# KiCad board weisse_cpu.kicad_pcb (continued)
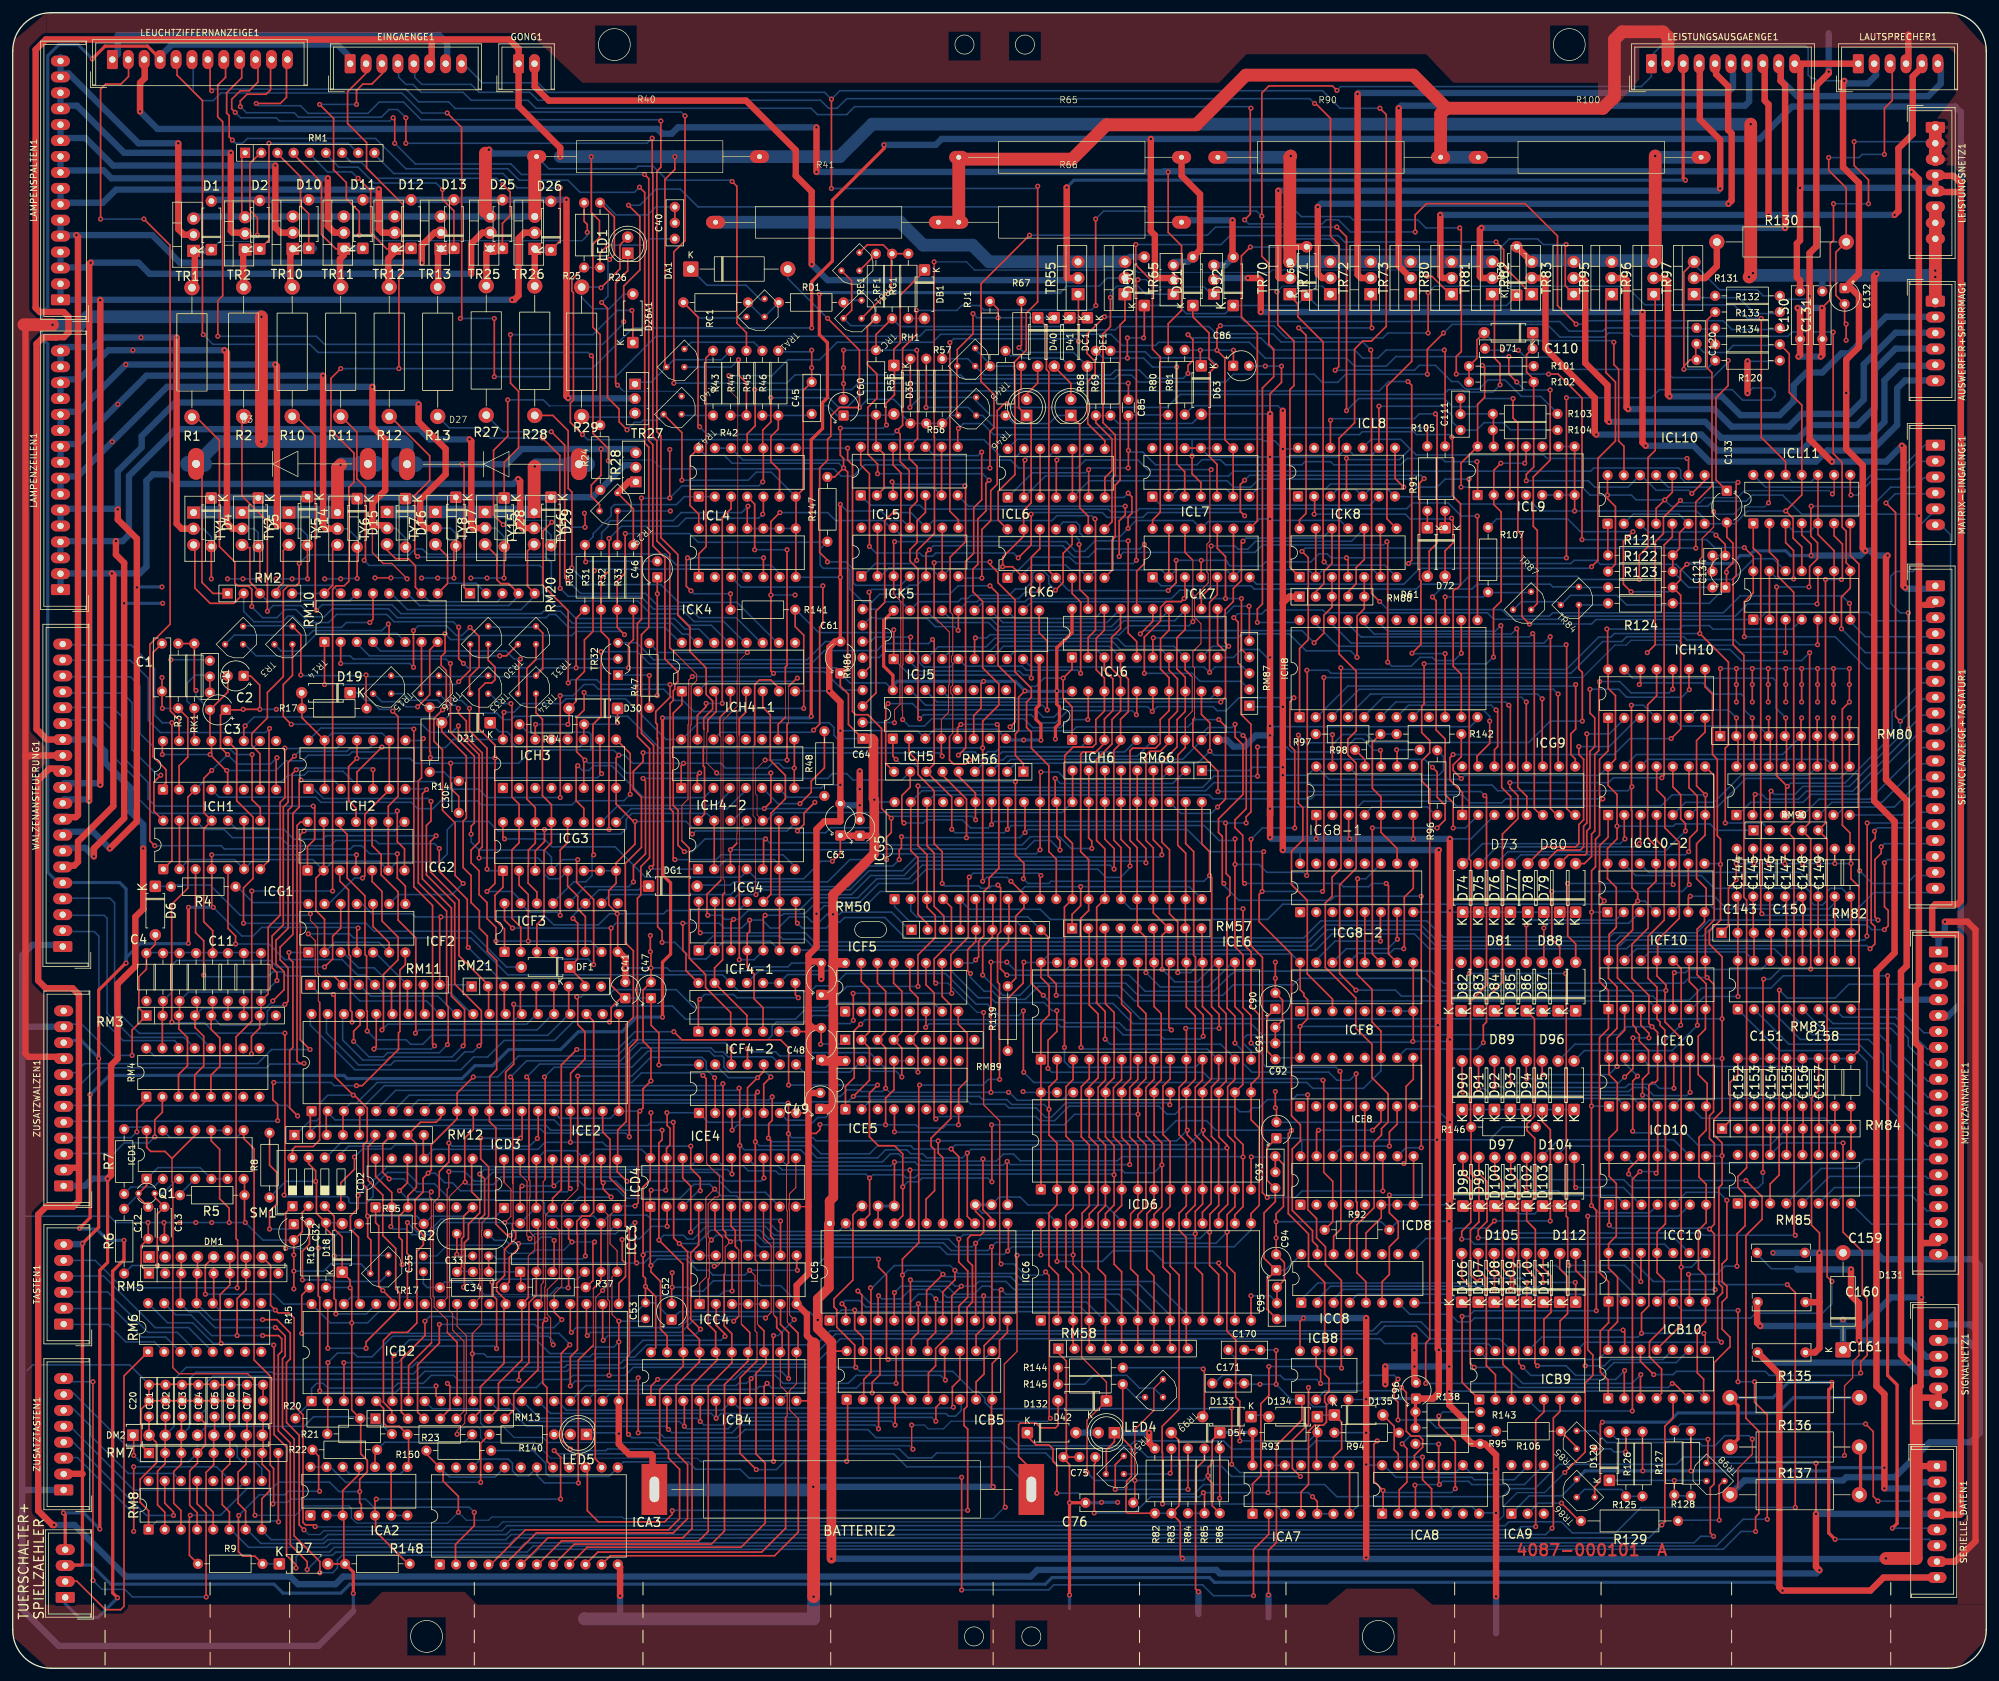
[diagram p0: board, top side]
## Routing (per net, layer and track width the routed paths; a pad name or vN(x,y) marks a point on that pad's centre or on a via; arc(x,y) is an arc through that point) (continued)
  Bottom w0.25: R147.1 126.83,175.79 126.83,173.25 127.33,172.74 131.26,172.74 131.5,172.5 131.5,169.5 133.5,167.5 135,167.5 136.18,168.68 147.18,168.68 148.5,170 v1(153.5,170) ; 127.88,176.84 107.66,176.84 106.3,178.2 v1(96.22,178.2) ; v1(96.09,162.33) 95.59,162.84 88.47,162.84 87.84,162.2 71.58,162.2 70.95,161.56 68.79,161.56 v1(67.9,162.45) ; v1(156.67,147.85) 157.31,147.21 166.45,147.21 167.09,147.85 184.61,147.85 185.75,148.99 v1(189.44,148.99) ; v1(70.75,123.25) 69,121.5 60.6,121.5 ICF2.9 ; v1(36.5,148) 37.9,149.4 66.4,149.4 v1(67.52,150.52) ; v1(189.25,135.25) 188.26,134.26 183.48,134.26 ICG5.23
~{KURZSCHLUSS_MAGNET}: length 107
  Top w0.25: v1(182.83,204.36) 182.83,189.17 184.09,187.91 ICL7.3 ; D50.1 177.75,209.06 v1(177.63,208.94) ; v1(175.09,205.76) v1(175.09,208.94)
  Bottom w0.25: R68.2 171.28,205.76 v1(175.09,205.76) 177.63,205.76 179.02,204.36 v1(182.83,204.36) ; D70.1 234.64,214.02 204.86,214.02 D60.1 201.64,214.02 D52.1 190.45,212.75 184.36,212.75 183.09,214.02 D50.1 ; v1(175.09,208.94) v1(177.63,208.94)
Net-(BATTERIE2-+): length 145.1
  Top w0.25: 160,31.25 158,33.25 158,38.25 158.25,38.5 160.75,38.5 161.5,37.75 163.8,37.75 164.2,38.15 164.2,41.98 ; 62.06,16.44 57,21.5 57,23.92 ; v1(57.1,26.56) 56.91,26.37 ICA2.5 ; v1(86.06,26.56) 86.06,33.17 v1(85.04,34.18)
  Bottom w0.25: v1(85.04,34.18) 85.55,33.68 138.38,33.68 140.42,31.64 156.45,31.64 BATTERIE2.1 ; v1(86.06,26.56) v1(57.1,26.56)
Net-(C32-Pad1): length 20.2
  Top w0.25: R8.2 40.34,79.01 41.47,77.89 41.47,72.9 40.34,71.78 v1(40.34,68.98)
  Bottom w0.25: v1(40.34,68.98) 43.39,68.98 C32.1
Net-(C33-Pad1): length 5.9
  Top w0.25: Q2.1 v1(69.75,65)
  Bottom w0.25: v1(69.75,65) 70,64.75 C33.1
Net-(C35-Pad1): length 28.9
  Top w0.25: v1(87.25,59.75) 87.32,59.82 ICC3.4
  Bottom w0.15: 72.75,60 74.07,58.68 84.43,58.68
  Bottom w0.25: 84.43,58.73 84.48,58.73 85.5,59.75 v1(87.25,59.75) ; 72.75,60 72.11,60.64 67.81,60.64 67.1,59.93 ; C35.1 64.5,60.4 65.1,59.8 R19.1
Net-(C35-Pad2): length 39.6
  Top w0.25: v1(87.84,66.95) 87.32,67.47 ICC3.11 ; v1(91.39,66.95) 91.14,66.7 91.14,60.88 90.11,59.85
  Bottom w0.2: v1(91.39,66.95) v1(87.84,66.95) 86.57,65.68 82.25,65.68 81.74,65.17 77.93,65.17 76.66,66.44 68.28,66.44 66.59,64.75 C35.2
Net-(C45-Pad1): length 21.3
  Top w0.25: R46.1 120.25,194.61 119.08,193.44 119.08,189.5 120.45,188.13 ICL4.6
  Bottom w0.25: R45.1 125.25,196.75
Net-(C46-Pad2): length 38.6
  Top w0.25: v1(90,173.76) 89.87,173.88 R30.2
  Bottom w0.25: C46.2 90.09,173.85 v1(90,173.76) ; ICL4.2 ICL4.1 105.5,184 104.25,182.75 94.5,182.75 94,182.25 94,181 91.17,178.17 91.17,177.72 R30.2
Net-(C85-Pad1): length 71.4
  Top w0.25: v1(175.21,201.82) 175.25,201.79 C85.1 ; v1(116.54,200.81) 116.62,200.72 116.62,195.12 115.37,193.87 ICL4.11
  Bottom w0.25: v1(116.54,200.81) 131.78,200.81 132.77,201.8 175.19,201.8 v1(175.21,201.82)
Net-(C85-Pad2): length 102.3
  Top w0.25: C85.2 v1(175.25,191.25) 175.25,188.54 v1(175.21,188.5) ; v1(230,189.5) 230.1,189.4 ICL9.1 ; ICL6.6 v1(169,188.25)
  Bottom w0.25: R80.1 175.37,196.84 ; v1(175.21,188.5) 169.25,188.5 v1(169,188.25) 168.5,187.75 160.17,187.75 ICL6.1 ; v1(230,189.5) 225,189.5 224.5,190 219,190 218,189 207.5,189 207,189.5 203,189.5 202.5,189 190.5,189 189.7,189.8 186.8,189.8 186,189 179.5,189 177.5,191 175.5,191 v1(175.25,191.25)
Net-(D1-K): length 30.1
  Top w0.25: v1(38.44,225.06) 38.44,227.8 37.25,228.99 37.25,236.33 38.94,238.02
  Top w1: 28.6,217.27 28.6,222.47
  Bottom w0.15: 32.48,224.08 37.45,224.08 v1(38.44,225.06)
  Bottom w0.25: D1.1 32.48,224.08
  Bottom w1: TR1.1 31,222.6
Net-(D2-K): length 39.5
  Top w0.25: v1(40.25,239.5) 40.25,224.33 D2.1
  Top w1: 36.2,217 36.2,222.42
  Bottom w0.25: 54.18,238.02 52.7,239.5 v1(40.25,239.5)
  Bottom w1: 36.5,222.92 38.76,222.92
Net-(D3-A): length 34.6
  Top w2: v1(51.5,189) 51.01,188.51 TY6.1
  Bottom w2: v1(51.5,189) 51.65,189.15 D3.2 ; 28.44,181.54 50.97,181.54 TY6.1
Net-(D7-K): length 34.2
  Top w0.25: R9.2 38.05,17.6 36.15,17.6 35.46,18.3 35.46,23.95 v1(35.5,24) ; v1(48.2,27.8) 48.05,27.95 48.05,33.33 R22.1
  Bottom w0.25: v1(48.2,27.8) 43.3,27.8 42.75,27.25 38.75,27.25 v1(35.5,24) ; D7.1 R9.2
Net-(D10-K): length 26.2
  Top w0.25: D10.1 46.5,228.43 45.2,229.73 45.2,234.25 41.48,237.97
  Top w1: 43.6,217.22 43.6,222.02 44,222.42 TR10.1
  Bottom w1: 44.08,223 47.34,223
Net-(D11-K): length 27.5
  Top w0.25: TR11.1 50.75,222.92 48.5,225.17 48.5,233.35 47.3,234.55 47.3,234.6 44.02,237.88
  Top w1: 51.4,217.04 51.4,221.32 52,221.92 TR11.1
  Bottom w1: D11.1 52.58,223
Net-(D12-K): length 32.4
  Top w0.25: TR12.1 58.75,222.92 56.23,225.44 56.23,232.02 v1(54.25,234)
  Top w1: 60.5,222.92 59,221.42 59,217.06
  Bottom w0.25: 46.56,237.88 49.44,235 53.25,235 v1(54.25,234)
  Bottom w1: TR12.1 62.42,222.92
Net-(D13-K): length 38.8
  Top w0.25: D13.1 69.3,228.89 67.5,230.68 v1(67.5,232.25)
  Top w1: 66.8,216.96 66.8,222.46 TR13.1
  Bottom w0.25: 49.1,237.88 51.23,235.75 54.25,235.75 56.75,233.25 66.5,233.25 v1(67.5,232.25)
  Bottom w1: TR13.1 69.22,222.92
Net-(D19-A): length 57.9
  Top w0.25: ICH2.6 ICH2.9 ; ICH2.2 ICH2.13 45.42,149.29 R17.1 45.42,153.16 ; v1(54.94,124.1) 55.3,124.46 55.3,134.1 59.15,137.95
  Bottom w0.25: v1(54.94,124.1) 53.68,124.1 49.61,120.04 ; ICH2.13 50.12,146.84 58.03,146.84 ICH2.9
Net-(D21-K): length 27.1
  Top w0.25: ICH3.11 89.7,148.2 ; D30.1 v1(95,148.5)
  Bottom w0.25: 89.7,145.39 88.98,144.68 79.14,144.68 78.31,145.51 78.31,146.45 77.68,147.09 76.41,147.09 D21.1 ; v1(95,148.5) 94.75,148.25 R34.1
Net-(D25-K): length 46.3
  Top w0.25: v1(77,233) 78.14,231.86 78.14,228.14 76.92,226.92 D25.1
  Top w1: 74.4,217.14 74.4,222.32 TR25.1
  Bottom w0.25: 51.64,238.02 53.16,236.5 54.75,236.5 57.25,234 76,234 v1(77,233)
  Bottom w1: TR25.1 76.84,222.92
Net-(D26-K): length 50.1
  Top w0.25: v1(86,232.5) 86,224.21 D26.1
  Top w1: TR26.1 R28.2
  Bottom w0.25: v1(86,232.5) 79.25,232.5 77,234.75 59.85,234.75 56.72,237.88
  Bottom w1: D26.1 82.17,222.75
Net-(D26A1-A): length 24.2
  Top w0.25: LED1.2 95.38,223.54 95.38,219.78 v1(92.41,216.81)
  Bottom w0.25: v1(92.41,216.81) 92.3,216.92 R29.2 89.36,215.29 91.14,213.51 93.68,213.51 95.99,215.82 D26A1.2
Net-(D27-A): length 37.2
  Top w2: v1(82,188.75) 81.9,188.65 TY16.1
  Bottom w2: 88.85,189 82.25,189 v1(82,188.75) ; TY16.1 TY7.1
Net-(D30-A): length 57.9
  Top w0.25: v1(91.38,172.38) 91.14,172.14 91.14,162.84 89.8,161.5 89.8,156.55 88.5,155.25 88.5,151.87 D30.2 87.38,148.41 v1(87.2,148.23) ; v1(82.12,148.23) 82.08,148.19 ICH3.14
  Bottom w0.25: v1(82.12,148.23) v1(87.2,148.23) ; ICK4.4 114.15,172.61 91.61,172.61 v1(91.38,172.38)
Net-(D40-A): length 5.9
  Top w0.25: LED2.2 159.25,200.1 161,201.85 D40.2
Net-(D41-A): length 6.2
  Top w0.25: LED3.2 166.2,201.8 163.6,204.4
Net-(D42-A): length 3.5
  Bottom w1: LED4.2 D42.2
Net-(D50-A): length 70.2
  Bottom w1: TR56.3 175.47,221.64 D50.2
  Bottom w2: R41.1 139.4,227.1 143,223.5 150.74,223.5 153.36,220.89 174.71,220.89
Net-(D51-A): length 20.7
  Top w1: D51.2 186.5,222.76 186.5,231.5 183.6,234.4 R65.2
  Bottom w1: 182.33,220.87 184.61,220.87 D51.2
Net-(D52-A): length 16.9
  Top w1: v1(191.6,227.4) 191.6,221.76
  Bottom w1: TR66.3 190.44,220.35 D52.2 ; 183.9,227.4 v1(191.6,227.4)
Net-(D60-A): length 62.7
  Top w1: 200.6,223.16 200.69,223.25 D60.2
  Top w2: v1(200.75,237.5) 200.6,237.35 200.6,220.89 TR70.3
  Bottom w2: R90.1 200.55,237.3 v1(200.75,237.5) ; 200.64,220.9 232.38,220.9 TR81.3
Net-(D61-A): length 47
  Top w0.25: v1(207,196) 206.98,195.98 206.98,191.68 ; 222.5,171.8 222.5,175.45 223.73,176.68 223.73,196.75 v1(223.47,197)
  Bottom w0.25: v1(223.47,197) 220.93,197 220.19,196.25 207.25,196.25 v1(207,196)
Net-(D61-K): length 2.6
  Top w0.25: D61.1 R91.1
Net-(D70-A): length 46.7
  Top w1: 236.25,223.22 TR82.3
  Top w2: TR96.3 258,221.11 v1(258,237.5)
  Bottom w2: TR82.3 238.81,221.08 257.56,221.08 TR96.3 ; v1(258,237.5) 258.2,237.3 R100.2
Net-(D71-A): length 51.4
  Top w0.25: R102.1 R101.1 230,205.75 230,208.62 D71.2 ; 253.09,187.4 253.09,191.91 252.25,192.75 252.25,204 251.5,204.75 v1(251.5,208.25)
  Bottom w0.25: D71.2 232.38,208.5 251.25,208.5 v1(251.5,208.25) 251.38,208.38
Net-(D71-K): length 56
  Top w0.25: D71.1 C110.2 237.78,206.28 237.78,203.58 238.91,202.45 ; v1(263.75,184.5) 265.76,186.51 ICL10.8 ; v1(237.75,186.5) 237.75,187.5 238.91,188.66 R102.2
  Bottom w0.25: 255.79,187.37 258.16,185 263.25,185 v1(263.75,184.5) ; v1(237.75,186.5) 247.5,186.5 248.5,185.5 253.74,185.5 ICL10.12
Net-(D72-A): length 34.4
  Top w0.25: 204.5,183.97 204.5,181.33 v1(204.42,181.25) ; D72.2 225,175.5 226.23,176.72 226.23,180.4 v1(226.02,180.61)
  Bottom w0.25: v1(226.02,180.61) 225.91,180.5 219.5,180.5 218.75,181.25 v1(204.42,181.25)
Net-(D72-K): length 2.6
  Top w0.25: D72.1 225,181.76
Net-(D73-A): length 30.9
  Top w0.25: ICG10-1.2 253.14,130.36 v1(253.25,130.25)
  Bottom w0.25: D73.2 230.88,129.5 252.5,129.5 v1(253.25,130.25)
Net-(D74-A): length 30.9
  Top w0.25: v1(255.5,129.5) 255.68,129.68 ICG10-1.3
  Bottom w0.25: 230.5,126.37 233.13,129 255,129 v1(255.5,129.5)
Net-(D75-A): length 42.8
  Top w0.25: v1(262.75,131.5) 262.75,132.65 262,133.4 262,137.2 260.76,138.44 ICG10-1.10
  Bottom w0.25: v1(262.75,131.5) 259.5,128.25 234.88,128.25 233,126.37
Net-(D76-A): length 43
  Top w0.25: ICG10-1.9 263.3,138.3 264.6,137 264.6,131.6 263.4,130.4 263.4,128.4 v1(263.25,128.25)
  Bottom w0.25: v1(263.25,128.25) 262.75,127.75 236.88,127.75 235.5,126.37
Net-(D77-A): length 36.1
  Top w0.25: D77.2 240.63,129 245.5,129 246,129.5 246,132.5 246.75,133.25 246.75,142.75 246,143.5 v1(246,144.75)
  Bottom w0.25: v1(246,144.75) 250.78,144.75 255.12,149.09
Net-(D78-A): length 32.2
  Top w0.25: D78.2 242.63,128.5 246.25,128.5 246.75,129 246.75,132.25 247.25,132.75 v1(247.25,146.75)
  Bottom w0.25: v1(247.25,146.75) 250.8,146.75 253.14,149.09
Net-(D79-A): length 51.3
  Top w0.25: ICH10.9 263.3,153.74 v1(263.35,153.69) ; D79.2 244.38,127.75 247,127.75 247.25,128 247.25,131.5 247.75,132 247.75,144 248.5,144.75 248.5,149.25 247.75,150 v1(247.75,153.75)
  Bottom w0.25: v1(263.35,153.69) 262.16,152.5 253.5,152.5 252.25,153.75 v1(247.75,153.75)
Net-(D80-A): length 46.5
  Top w0.25: ICH10.10 260.76,153.76 v1(260.75,153.75) ; v1(249.25,154.96) 249.13,154.83 249.13,144.13 248.5,143.5 248.5,131.5 248,131 248,127.5 246.87,126.37 D80.2
  Bottom w0.25: v1(249.25,154.96) 252.43,154.96 254.21,153.18 260.18,153.18 v1(260.75,153.75)
Net-(D85-A): length 22
  Top w0.25: v1(237.75,116.75) D85.2
  Bottom w0.25: v1(237.75,116.75) 238.5,117.5 251.79,117.5 ICG10-2.2
Net-(D86-A): length 21.7
  Top w0.25: v1(240.5,116.25) 240.5,110.62
  Bottom w0.25: ICG10-2.3 253.83,117 241.25,117 v1(240.5,116.25)
Net-(D87-A): length 37.3
  Top w0.25: v1(241.75,122) 241.75,114.5 243,113.25 243,110.62 ; v1(263.35,123.08) 263.2,123.24 ICG10-2.9
  Bottom w0.25: v1(241.75,122) 262.27,122 v1(263.35,123.08)
Net-(D88-A): length 33.1
  Top w0.25: 245.5,110.62 245.5,113.75 244.25,115 v1(244.25,123.25) ; ICG10-2.10 260.66,123.24 v1(260.81,123.08)
  Bottom w0.25: v1(260.81,123.08) 260.65,123.25 v1(244.25,123.25)
Net-(D89-A): length 31.4
  Top w0.25: D89.2 227.66,90.59 v1(227.75,90.5)
  Bottom w0.25: v1(227.75,90.5) 228.38,90.5 229.38,89.5 252.04,89.5 ICE10.2
Net-(D90-A): length 31.1
  Top w0.25: D90.2 v1(230.25,91)
  Bottom w0.25: ICE10.3 254.08,90 232.25,90 231.25,91 v1(230.25,91)
Net-(D91-A): length 41.5
  Top w0.25: v1(263.48,90.44) 263.45,90.47 ICE10.9 ; v1(232.75,91.33) 232.75,91.34 D91.2
  Bottom w0.25: v1(232.75,91.33) 234.01,91.33 234.78,90.57 253.83,90.57 254.46,91.21 256.49,91.21 257.76,89.94 262.97,89.94 v1(263.48,90.44)
Net-(D92-A): length 34.7
  Top w0.25: ICE10.10 260.91,91.11 v1(260.94,91.08) ; v1(235.29,91.97) 235.25,92 D92.2
  Bottom w0.25: v1(235.29,91.97) 236.56,91.97 237.32,91.21 253.32,91.21 253.83,91.72 258.02,91.72 258.65,91.08 v1(260.94,91.08)
Net-(D93-A): length 33
  Top w0.25: ICF10.3 255.73,101.02 257,99.75 v1(257,99) ; v1(237.82,92.6) 237.75,92.68 D93.2 ; v1(253.19,92.86) 254.5,94.17 v1(254.5,99)
  Bottom w0.25: v1(253.19,92.86) 252.3,91.97 239.73,91.97 239.1,92.6 v1(237.82,92.6) ; v1(257,99) v1(254.5,99)
Net-(D94-A): length 23.9
  Top w0.25: v1(252,94.5) 252,99 253.19,100.19 ICF10.2 ; D94.2 240.25,93.35 v1(240.37,93.24)
  Bottom w0.25: v1(240.37,93.24) 250.74,93.24 v1(252,94.5)
Net-(D95-A): length 32.3
  Top w0.25: ICF10.10 262.08,109.88 262.08,101.08 v1(262,101)
  Bottom w0.25: v1(262,101) 259,98 245.38,98 D95.2
Net-(D96-A): length 32.4
  Top w0.25: ICF10.9 263.35,107.84 264.62,106.57 v1(264.62,100.99)
  Bottom w0.25: v1(264.62,100.99) 260.64,97 246.88,97 D96.2
Net-(D97-A): length 48.1
  Top w0.25: v1(227.6,67.4) 227.6,68.6 229.02,70.02 229.02,76.57 227.8,77.8 D97.2
  Bottom w0.25: v1(227.6,67.4) 228.8,67.4 229.6,66.6 259.45,66.6 ICC10.10
Net-(D98-A): length 47.9
  Top w0.25: v1(230.2,67.6) 230.2,68.8 231.57,70.18 231.57,76.43 230.3,77.7 D98.2
  Bottom w0.25: ICC10.9 260.99,67.6 v1(230.2,67.6)
Net-(D99-A): length 40.6
  Top w0.25: v1(235.29,59.33) 235.29,61.51 234.02,62.77 234.02,76.38 232.8,77.6 D99.2
  Bottom w0.25: ICC10.2 252.08,58.73 244.27,58.73 243.67,59.33 v1(235.29,59.33)
Net-(D100-A): length 38.9
  Top w0.25: v1(236.52,63.3) 236.52,76.5 235.3,77.73 D100.2
  Bottom w0.25: v1(236.52,63.3) 236.57,63.25 242.5,63.25 243.5,62.25 251.27,62.25 255.75,57.77
Net-(D101-A): length 20.9
  Top w0.25: v1(237.75,75) 237.8,75.05 D101.2
  Bottom w0.25: v1(237.75,75) 242.75,75 243.5,74.25 251.85,74.25 252.7,73.4
Net-(D102-A): length 25.7
  Bottom w0.25: 240,80.2 242.8,83 260.88,83 ICD10.9
Net-(D103-A): length 19.7
  Bottom w0.25: ICD10.10 259.34,82 244,82 242.5,80.5
Net-(D104-A): length 15.5
  Top w0.25: v1(245.5,75.5) 245.3,75.7 D104.2
  Bottom w0.25: v1(245.5,75.5) 253.02,75.5 255.24,73.28
Net-(D105-A): length 50.2
  Top w0.25: ICB10.3 255.68,46.07 v1(255.73,46.12) ; v1(229.57,47.26) 228.94,47.9 228.94,59.96 227.6,61.3 D105.2
  Bottom w0.25: v1(229.57,47.26) 234.65,47.26 237.19,44.73 254.33,44.73 v1(255.73,46.12)
Net-(D106-A): length 24
  Top w0.25: D106.2 230.2,62.55 231.47,61.28 231.47,50.3 231.49,50.29 231.49,49.35 231.47,49.34 231.47,47.52 232.9,46.09 ICB9.2
Net-(D107-A): length 24.1
  Top w0.25: D107.2 232.7,62.55 234.06,61.19 234.06,47.73 235.44,46.35 ICB9.3
Net-(D108-A): length 39.8
  Top w0.25: ICB10.2 253.14,46.7 v1(253.19,46.76) ; 235.74,64.72 235.74,59.91 236.57,59.08 236.57,47.89 v1(237.19,47.26)
  Bottom w0.25: v1(237.19,47.26) 238.46,46 244.18,46 244.81,45.36 251.8,45.36 v1(253.19,46.76)
Net-(D109-A): length 44.4
  Top w0.25: v1(239.5,47.5) 239.11,47.89 239.11,61.39 237.8,62.7 D109.2
  Bottom w0.25: v1(239.5,47.5) 244,47.5 245.5,46 249.5,46 251.5,48 261.28,48 ICB10.9
Net-(D110-A): length 16.3
  Top w0.25: ICB9.10 240.52,54.79 241.63,55.89 241.63,61.62 240.4,62.85 D110.2
Net-(D111-A): length 16.3
  Top w0.25: ICB9.9 243.06,54.53 244.23,55.7 244.23,61.52 243,62.75 D111.2
Net-(D112-A): length 33
  Top w0.25: D112.2 245.5,62.5 246.95,61.05 246.95,47.55 v1(247,47.5)
  Bottom w0.25: ICB10.10 259.24,48.5 251,48.5 250,47.5 v1(247,47.5)
Net-(D120-K): length 20
  Top w0.25: R127.1 v1(261,29.5)
  Bottom w0.25: 261.11,27.09 R128.1 ; D120.1 v1(261,29.5) 266,29.5
Net-(D133-A): length 20
  Top w0.25: 187.18,39.8 187.18,46.82 v1(187,47)
  Bottom w0.25: v1(187,47) 186.8,47.2 R144.2
Net-(D133-K): length 2.3
  Bottom w0.25: 194.75,39.75 197.08,39.75
Net-(D134-K): length 11.3
  Top w0.25: ICA7.9 207.45,33.15 208.74,34.44 208.74,38.64 207.58,39.8
  Bottom w0.25: 207.53,39.75 205.16,39.75
Net-(D135-A): length 8.9
  Top w0.25: ICA8.13 217.63,33.68 217,34.31 217,38 215.2,39.8
Net-(DA1-K): length 13.5
  Bottom w0.25: 117.94,214.89 117.51,214.89 115.2,217.2 109.05,217.2 DA1.1
Net-(DB1-A): length 2.8
  Bottom w0.25: 143.5,212 RG1.1
Net-(DC1-A): length 11.1
  Bottom w0.25: DC1.2 164.77,205.76 158.7,205.76 158.32,206.14 156.71,206.14 R70.1
Net-(DE1-A): length 19.4
  Top w0.25: R67.1 158.45,207.79 v1(158.07,207.41)
  Bottom w0.25: v1(158.07,207.41) 158.83,206.65 166.63,206.65 DE1.2
Net-(DF1-A): length 83.4
  Top w0.25: v1(36.25,117) 36.25,122.55 37.75,124.05 37.75,133.68 35.18,136.25 35.18,144.21 ICH1.12
  Bottom w0.25: ICH1.10 37.72,144.5 34.88,144.5 ICH1.12 ; v1(36.25,117) 36.26,116.99 55.51,116.99 56.75,115.75 71.94,115.75 77.56,110.13 DF1.2
Net-(ICA2B--): length 10.2
  Top w0.25: ICA2.9 ICA2.6
  Bottom w0.25: ICA2.6 ICA2.7
Net-(ICA2C-+): length 18.3
  Top w0.25: ICA2.10 56.91,33.99
  Bottom w0.25: R23.2 70.94,35.5 58.42,35.5 R22.2
Net-(ICA2D--): length 35.3
  Top w0.25: R140.1 73.5,35.34 v1(73.5,29.2)
  Bottom w0.25: v1(73.5,29.2) 52.3,29.2 49.84,31.66 ; ICA2.14 ICA2.13
Net-(ICA3-CE): length 157
  Top w0.25: ICA7.2 197.29,21.04 194.9,18.65 v1(194.9,11.4) ; v1(149.05,29.99) v1(149.05,12.3)
  Bottom w0.25: R150.2 81.74,34.18 83.75,32.17 83.75,30.65 84.28,30.12 93.62,30.12 ICA3.13 95.91,32.41 106.12,32.41 107.28,31.25 114.27,31.25 115.65,29.87 148.93,29.87 v1(149.05,29.99) ; v1(194.9,11.4) 188.6,11.4 186.9,13.1 163.53,13.1 162.73,12.3 v1(149.05,12.3)
Net-(ICA8-Pad2): length 27.2
  Top w0.25: 217.79,24.44 217.79,28.04 219,29.25 219,34.5 v1(218.25,35.25)
  Bottom w0.25: v1(218.25,35.25) 219.47,36.47 232.24,36.47 233,37.23
Net-(ICA8-Pad3): length 36.4
  Top w0.25: v1(223.98,35.2) 223.98,28.98 v1(224.11,28.85) ; 220.33,24.44 220.33,28.67 v1(220.25,28.75)
  Bottom w0.25: v1(220.25,28.75) 220.35,28.85 v1(224.11,28.85) 224.62,29.36 228.68,29.36 229.19,28.85 237.44,28.85 ICA9.4 ; R95.1 223.93,35.25 v1(223.98,35.2)
Net-(ICA9-Pad2): length 10
  Top w0.25: 246.08,23.13 243.29,25.93 v1(243.27,25.93)
  Bottom w0.25: ICA9.2 239.6,25.93 v1(243.27,25.93)
Net-(ICB2-HLDA): length 67.4
  Top w0.25: v1(113,59.25) 112.98,59.27 ICC4.12
  Bottom w0.15: 53.15,58.33 96.83,58.33
  Bottom w0.25: ICB2.38 53.15,58.33 ; v1(113,59.25) 111.75,59.25 111,58.5 97,58.5 96.83,58.33
Net-(ICB2-RES_OUT): length 57.4
  Top w0.25: v1(76,50.2) 76.01,50.21 76.01,57.95 75.26,58.69 75.26,60.59 v1(75.3,60.62) ; v1(52,48) 52.02,47.98 ICB2.3
  Bottom w0.25: ICC3.5 88.72,61.11 75.65,61.11 75.3,60.76 v1(75.3,60.62) ; v1(52,48) 60.55,48 63.15,50.6 75.6,50.6 v1(76,50.2)
Net-(ICB2-X1): length 65.1
  Top w0.25: v1(79.5,45.25) 79.5,46.42 81.09,48 81.09,57.43 82.24,58.58 ICC3.2 ; 82.5,69.61 82.5,62.51
  Bottom w0.25: 44.4,39.42 ICB2.1 46.94,43.94 47.75,44.75 48.75,44.75 49.5,44 59.75,44 60.5,44.75 64.5,44.75 65.75,46 69.25,46 70,45.25 v1(79.5,45.25)
Net-(ICB2-X2): length 70.3
  Top w0.15: v1(84.9,50.8) 84.5,51.2 84.5,55 83.96,55.54 83.96,59.46 85.86,61.36 85.86,68.79 ICC3.12
  Top w0.25: v1(49.5,48) 49.48,47.98 ICB2.2 49.48,36.88
  Bottom w0.25: v1(84.9,50.8) 84.9,51.35 84.1,52.15 59.65,52.15 56.42,48.92 54.13,48.92 53.55,49.5 51,49.5 v1(49.5,48)
Net-(ICB4-A->B): length 37.6
  Top w0.25: ICC4.6 120.6,54 121.87,52.73 v1(121.87,45.49) ; ICB4.1 100.25,44.31 v1(101.3,45.36)
  Bottom w0.25: v1(101.3,45.36) 113.37,45.36 114.63,46.63 120.73,46.63 v1(121.87,45.49)
Net-(ICB8-CV): length 19.9
  Bottom w0.2: ICB8.5 208.5,48.5 192.25,48.5 190.96,49.79
Net-(ICB8-DIS): length 58.9
  Top w0.25: v1(217.6,45.4) 217,44.8 217,42.4 217.6,41.8 v1(217.6,39) ; v1(205.44,44.73) 205.44,46.81 204.74,47.51 ICB8.7
  Bottom w0.2: ICB8.7 ICB8.6
  Bottom w0.25: R143.2 223.65,37.75 222.4,39 v1(217.6,39) ; 188.75,44.75 190,46 199.09,46 199.73,45.36 204.81,45.36 v1(205.44,44.73) 211.73,44.73 213,46 217,46 v1(217.6,45.4)
Net-(ICB8-Q): length 207.8
  Top w0.25: R15.1 45.4,58.6 v1(45.4,52.6) ; v1(87.58,34.44) 86.17,35.85 86.17,39.64 86.16,39.64 86.16,49.46 v1(87.5,50.8) ; v1(202.26,30.12) 201,31.39 201,35.83 203.54,38.38 v1(203.54,44.09)
  Bottom w0.25: v1(87.5,50.8) 87.5,50.9 85.81,52.6 v1(45.4,52.6) ; v1(202.26,30.12) 191.47,30.12 189.82,31.77 164.29,31.77 162.26,33.8 145.12,33.8 144.35,33.04 140.67,33.04 139.27,34.44 93.43,34.44 93.17,34.18 87.84,34.18 v1(87.58,34.44) ; v1(203.54,44.09) 203.54,41.8 204.26,41.07 206.15,41.07 ICB8.3
Net-(ICB8-TR): length 29
  Top w0.25: ICA8.12 220.17,33.42 221.46,34.71 221.46,35.94 220.93,36.47 219.66,36.47 218.9,37.23 218.9,43.33 v1(218.14,44.09)
  Bottom w0.25: v1(218.14,44.09) 217.63,43.58 206.12,43.58 ICB8.2
Net-(ICC3-Pad3): length 24
  Top w0.25: v1(79.46,66.7) 79.46,65.96 78,64.5 78,60.67 77.26,59.93 ; v1(85.04,67.2) 85.04,62.51
  Bottom w0.25: Q2.2 75.7,67.2 77.42,67.2 77.93,66.7 v1(79.46,66.7) 82,66.7 83.01,67.71 84.53,67.71 v1(85.04,67.2)
Net-(ICC4-Pad3): length 5.1
  Bottom w0.25: ICC4.3 ICC4.5
Net-(ICC4-Pad10): length 2.5
  Bottom w0.25: ICC4.11 ICC4.10
Net-(ICC5-A11): length 2.7
  Top w0.25: ICC5.21 135.93,72.6
Net-(ICC6-A11): length 22.5
  Bottom w0.25: 174.18,70.25 171.68,72.75 159.5,72.75 158.25,74 154.96,74 JP1.2
Net-(ICD1-Q1_GATES): length 22.9
  Top w0.25: ICD1.1 21.04,75.84 Q1.2 19.77,73.98 C12.1
  Bottom w0.25: 19.77,74.43 R6.2 ; ICD1.1 22.81,78.63 29.42,78.63 ICD1.5 ICD1.6
Net-(ICD1-Q2_(N)_SOURCE): length 3.4
  Bottom w0.25: 26.25,74.45 ICD1.4
Net-(ICD1-Q2_(P)_SOURCE): length 6.9
  Bottom w0.25: R7.1 18.59,75.59 22.16,75.59 23.43,76.86
Net-(ICD1-Q2_GATES): length 22.7
  Top w0.25: v1(22.75,63.25) 22.7,63.3 22.7,71.33 C13.1 22.31,73.98 Q1.1
  Bottom w0.25: 25.86,76.86 23.58,74.57 Q1.1 ; v1(22.75,63.25) 18.75,63.25 R6.1
Net-(ICD2A-Q): length 12.9
  Top w0.25: v1(60.75,75) 62,76.25 62,79.94
  Bottom w0.25: ICD2.5 65.81,73.75 62,73.75 v1(60.75,75)
Net-(ICD8-X0): length 26.3
  Top w0.25: v1(218.52,79.27) 218.52,79.27 218.87,79.62 218.87,91.37 220,92.5 ICE8.9
  Bottom w0.25: v1(218.52,79.27) 211.03,79.27 ICD8.13
Net-(ICD8-X1): length 16.3
  Top w0.25: ICE8.7 217.46,85.46 216.25,84.25 v1(216.25,82)
  Bottom w0.25: ICD8.14 208.93,82 v1(216.25,82)
Net-(ICD8-X2): length 16.5
  Top w0.25: v1(205.1,84.5) 204.81,84.21 204.81,80.88 ; ICE8.6 214.92,85.82 v1(213.6,84.5)
  Bottom w0.25: v1(205.1,84.5) v1(213.6,84.5)
Net-(ICD8-X3): length 7.8
  Top w0.25: ICE8.5 212.38,80.46
Net-(ICD8-X): length 130.4
  Top w0.25: R92.1 207.35,70.12 ICD8.3 207.35,76.48 205.93,77.89 205.93,92.24 v1(205.82,92.35) ; v1(162.6,94.2) 162.62,94.22 162.62,98.62 164,100 v1(164,103.27)
  Bottom w0.25: v1(162.6,94.2) 163.2,93.6 187,93.6 188,92.6 205.57,92.6 v1(205.82,92.35) ; v1(164,103.27) 163.28,103.27 162.01,104.54 154.39,104.54 153.62,105.3 151.64,105.3 147.39,109.55 117.25,109.55 ICF4-2.11
Net-(ICE8-CLK): length 122.9
  Top w0.25: v1(235.16,139.09) 235.16,138.32 236.43,137.05 236.43,133.43 234,131 234,107.75 231.5,105.25 231.5,101.5 231,101 v1(231,98.25) ; ICL10.5 260.69,177.69 259.4,176.4 259.4,140.21 v1(259.03,139.85)
  Bottom w0.25: v1(231,98.25) 230,97.25 218.84,97.25 ICE8.10 ; v1(259.03,139.85) 251.41,139.85 250.65,139.09 v1(235.16,139.09)
Net-(ICF2-Pad14): length 12.5
  Bottom w0.25: 35.25,122.75 37.75,120.25 46.73,120.25
Net-(ICF2D-+): length 49.1
  Top w0.25: C5.1 23.6,102.1 ; v1(48.98,110.13) 50.25,111.4 50.25,114.96 51.52,116.23 ICF2.12 ; 23.5,102 23.5,97.42
  Bottom w0.25: v1(48.98,110.13) 41.48,110.13 40.47,111.15 25.74,111.15 24.97,110.38 24.97,106.17 C5.1
Net-(ICF4-2A-Q): length 23.7
  Top w0.25: v1(107.9,105.05) 107.7,104.85 ICF4-2.1 ; ICF4-2.8 122.94,105.76 v1(123.4,105.3)
  Bottom w0.25: v1(123.4,105.3) 113.75,105.3 113.24,105.81 108.67,105.81 v1(107.9,105.05)
Net-(ICF4-2A-R): length 282.4
  Top w0.1: v1(112.5,203) 112.5,200.78 113.89,199.39 113.89,170.94 113.8,170.85 113.8,155.2 113.78,155.18 113.78,151.06 112.29,149.56 112.35,149.63 111.57,148.85 111.57,123.99 111.84,123.72 111.84,121.81
  Top w0.25: 111.84,121.81 111.5,121.47 111.5,111.25 110.24,109.99 ICF4-2.13 115.32,102.54 ICF4-2.4 ; v1(235,206) 235,203.25 v1(236.25,202) ; TR87.2 239.48,167.23 239.48,178.71 238.85,179.34 238.85,187.09 241.5,189.75 v1(241.5,200.75)
  Bottom w0.25: v1(112.5,203) 119.25,203 121.75,205.5 126.75,205.5 129.5,208.25 144.5,208.25 145.75,209.5 172.5,209.5 174.25,207.75 179.5,207.75 180,208.25 194.25,208.25 196.75,205.75 209.5,205.75 210.75,204.5 215.75,204.5 217.25,206 v1(235,206) ; v1(241.5,200.75) 237.5,200.75 v1(236.25,202)
Net-(ICF8-X0): length 23.6
  Top w0.25: v1(218.5,113) 218.58,113.09 218.58,121.09 220,122.5 ICG8-2.9
  Bottom w0.25: v1(218.5,113) 217,113 216.29,112.29 211.31,112.29 ICF8.13
Net-(ICF8-X1): length 16
  Top w0.25: v1(217.5,114.5) 217.46,114.54 ICG8-2.7
  Bottom w0.25: ICF8.14 209.48,113 216,113 v1(217.5,114.5)
Net-(ICF8-X2): length 15.8
  Top w0.25: v1(214.84,114.19) 214.84,118.67
  Bottom w0.25: 204.76,111.23 207.73,114.19 v1(214.84,114.19)
Net-(ICF8-X3): length 7.9
  Top w0.25: ICF8.12 ICG8-2.5
Net-(ICG3-A): length 34.1
  Top w0.25: v1(88.75,141.75) 88.5,141.5 88.5,136.25 89.7,135.05 ICG3.11
  Bottom w0.25: ICH4-2.3 108.58,136.75 99.1,136.75 94.1,141.75 91.25,141.75 90.5,141 89.5,141 v1(88.75,141.75)
Net-(ICG3-B): length 22.2
  Bottom w0.25: 92.45,132.87 95.08,135.5 110.46,135.5 112.62,137.66
Net-(ICG3-C): length 22.3
  Bottom w0.25: 115.16,137.91 112.25,135 97.12,135 94.99,132.87
Net-(ICG8-1-Cp1): length 3.3
  Top w0.25: R98.1 212.38,142.71 ICG8-1.11
Net-(ICG8-1-Mr1): length 19.4
  Bottom w0.25: ICG8-1.12 211.21,140.25 224,140.25 224.75,141 224.75,143.16 R96.2
Net-(ICG8-1-Mr2): length 7.7
  Top w0.25: ICG8-1.13 v1(207.3,146.62)
  Bottom w0.25: R97.2 207.22,146.71 v1(207.3,146.62)
